# Altium PCB 控制盒基板.PcbDoc (part 3 of 8)
Units mil, origin at the board's own origin, x right, y up, seen from the top; angles counter-clockwise.
Board outline 12046.02 x 6189.14 mil, 4 copper layers (Top Layer, SGND, POWER, Bottom Layer); 368 components, 219 nets, 1110 pads, 351 vias.
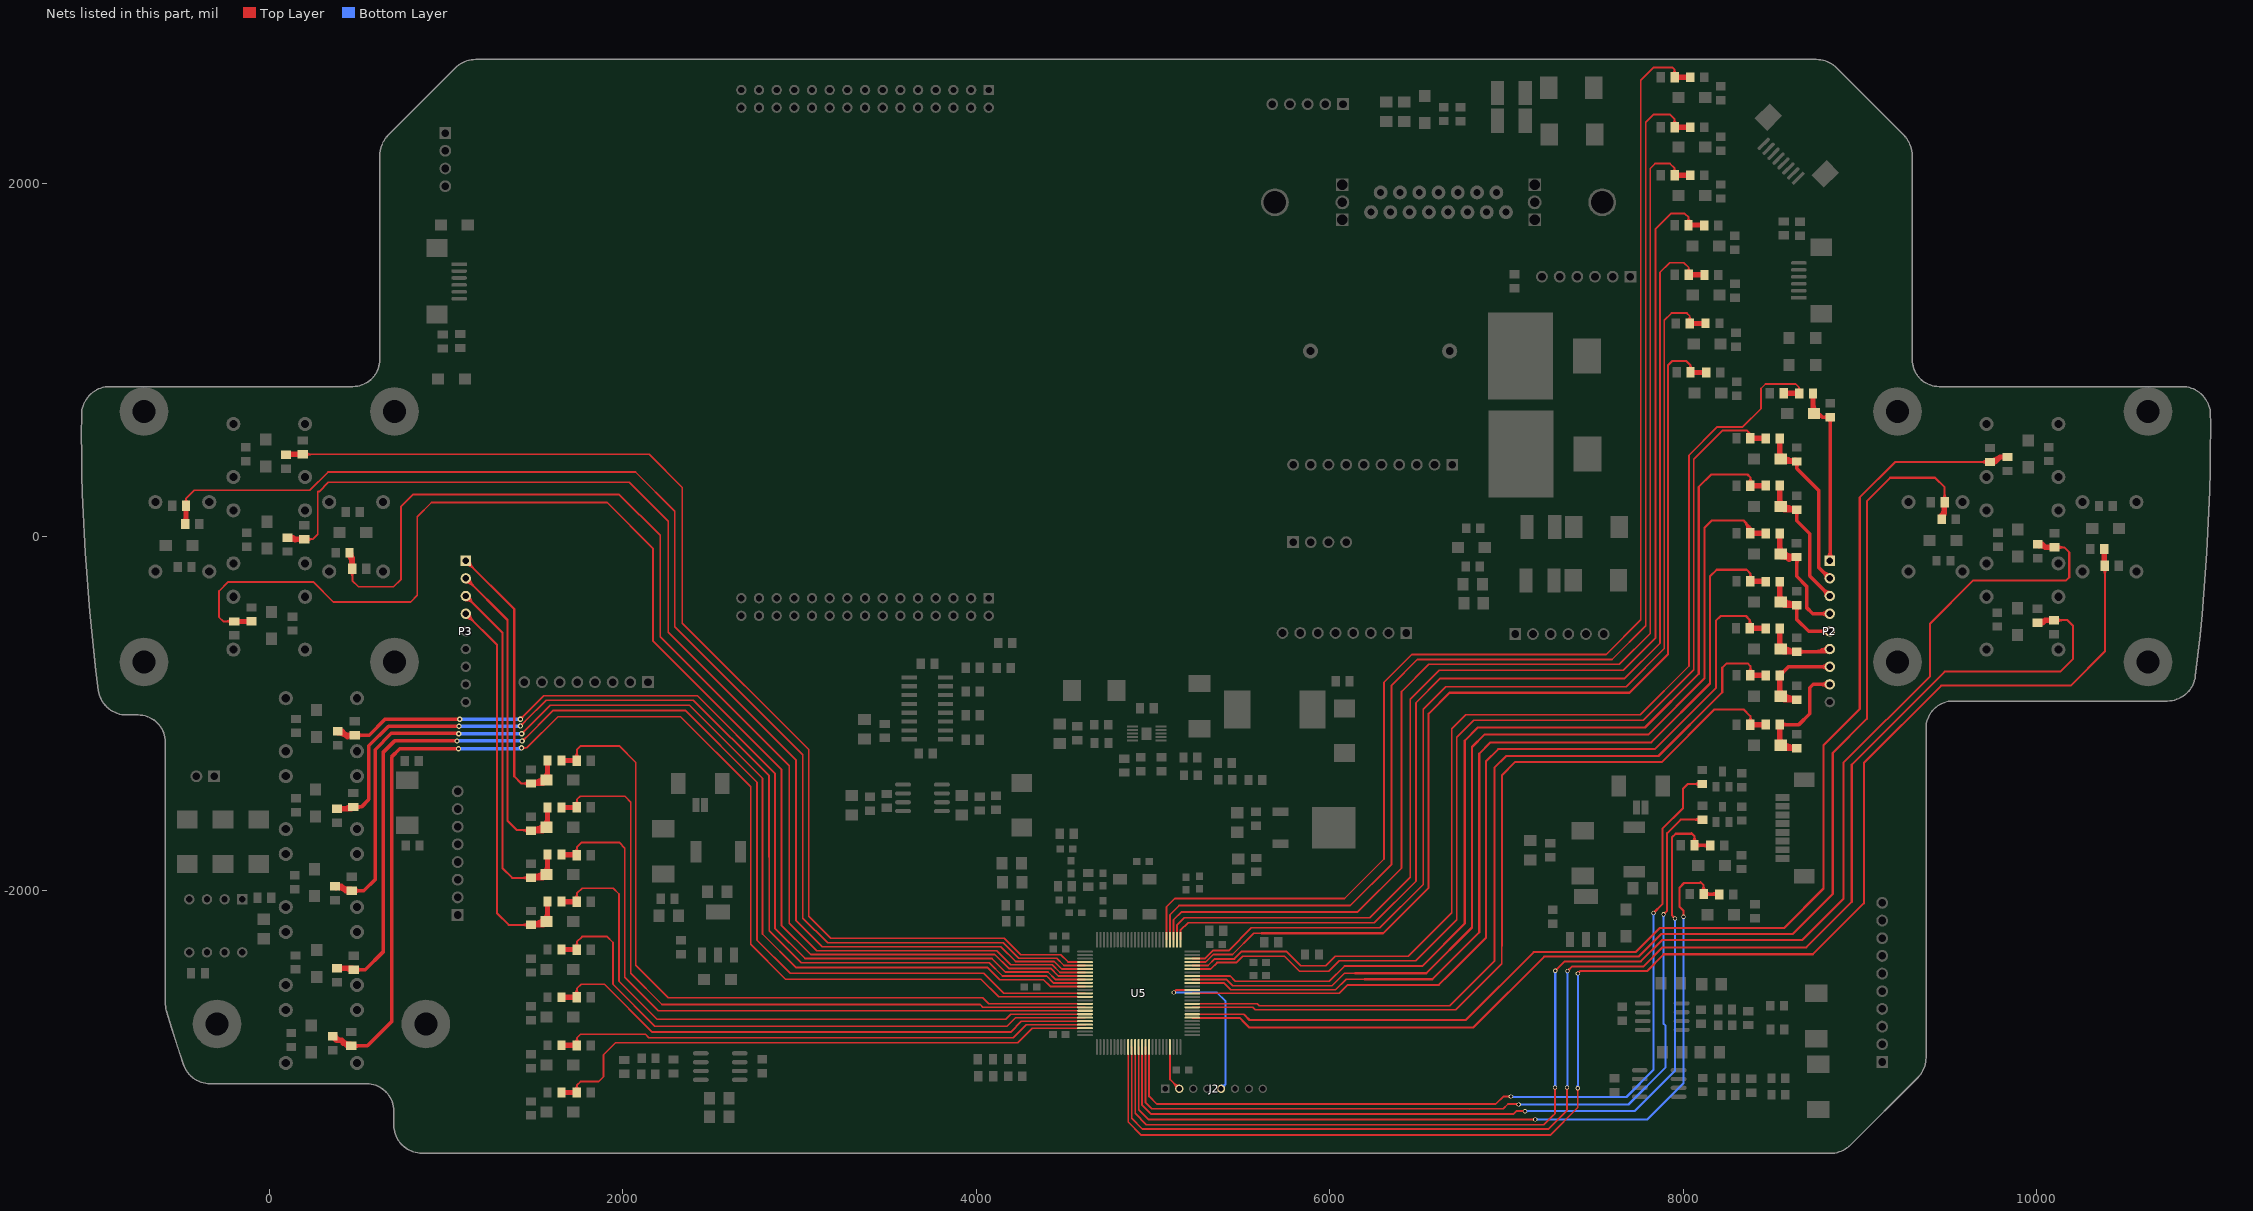
[diagram p5: the nets of this part, all layers, seen from the top]

## Via types
v1: diameter 30, hole 16, Top Layer to Bottom Layer, tented both sides, 209 vias
v2: diameter 24, hole 16, Top Layer to Bottom Layer, tented both sides, 75 vias
v3: diameter 30, hole 18, Top Layer to Bottom Layer, tented both sides, 57 vias
v4: diameter 28, hole 18, Top Layer to Bottom Layer, tented both sides, 10 vias

## Nets (pads, with @x,y where several pads share a name; then routed paths per layer and width w, separated by ;. In a path a pad name is that pad's centre, name@x,y a point inside that pad or via, vN(x,y) a via of type N, cw(c..) or ccw(c..) an arc to the next point about the centre after c; other vN are vias at no path point) (continued)
JTDO: J2.5 U5.89 | length 1059.1
  Top Layer w10: v2(5118,-2578) 5132.69,-2563.31 U5.89@5222.15,-2563.31 ; v2@5118,-2571 ccw(c5118,-2554.1) 5129.95,-2566.05 ccw(c5141.9,-2578) v2@5125,-2578
  Bottom Layer w10: v2(5118,-2578) 5362,-2578 5411,-2627 5411,-3097.37 ; J2.5@5385.37,-3123 5411,-3097.37 ; J2.5@5388.41,-3104.63 ccw(c5392.64,-3079.01) 5411,-3097.37 ; J2.5@5403.74,-3119.96 cw(c5429.36,-3115.73) 5411,-3097.37 ; 5134.9,-2578 ccw(c5134.9,-2594.9) 5122.95,-2582.95 cw(c5134.9,-2594.9) 5134.9,-2578 ; 5134.9,-2578 cw(c5134.9,-2561.1) 5122.95,-2573.05 ccw(c5134.9,-2561.1) 5134.9,-2578
JTMS: J2.2 U5.72 | length 473.7
  Top Layer w10: U5.72@5096.16,-2886.15 5096.16,-3070.02 J2.2@5149.15,-3123 ; 5124.82,-3101.69 ccw(c5155.18,-3093.56) J2.2@5148.87,-3124.35 ; 5127.84,-3098.67 cw(c5119.71,-3129.03) J2.2@5150.5,-3122.72 ; J2.2@5151.15,-3139 J2.2@5154,-3136.15 ; 5117.36,-3091.21 ccw(c5149.15,-3059.42) 5149.15,-3104.38 cw(c5149.15,-3059.42) 5117.36,-3091.21 ; 5117.36,-3091.21 cw(c5085.57,-3123) 5130.53,-3123 ccw(c5085.57,-3123) 5117.36,-3091.21
KEYSWIN_A1: C32.1 R27.1 U5.96 | length 6478
  Top Layer w10: U5.96@5222.15,-2425.52 5311.48,-2425.52 5349,-2388 5461,-2388 5503.15,-2345.85 5754.85,-2345.85 5836,-2427 5977,-2427 6031,-2373 6444,-2373 6691,-2126 6691,-1085 6770,-1006 7758,-1006 8033,-731 8033,462 8193,622 8337,622 8440,725 8440,839 8466,865 8636,865 8656.16,844.84 ; R27.1@8656.16,811 8656.16,844.84 ; 8656.16,844.84 ccw(c8670.86,844.84) 8664.37,831.65 cw(c8670.86,844.84) 8656.16,844.84 ; 8656.16,844.84 cw(c8641.45,844.84) 8647.94,831.65 ccw(c8641.45,844.84) 8656.16,844.84
  Top Layer w30: C32.1@8569.37,813 8654.16,813 R27.1@8656.16,811 ; 8630.66,813 ccw(c8630.66,840.43) 8650.06,821.03 cw(c8630.66,840.43) 8630.66,813
KEYSWIN_A2: C36.1 R35.1 U5.95 | length 6033.3
  Top Layer w10: U5.95@5222.15,-2445.2 5326.8,-2445.2 5363,-2409 5471,-2409 5507,-2373 5744,-2373 5829,-2458 5994,-2458 6053.86,-2398.14 6487.86,-2398.14 6719,-2167 6719,-1134 6815,-1038 7773,-1038 8060,-751 8060,439 8222,601 8362,601 ; 8363.84,599.16 cw(c8340.12,575.45) C36.1@8372.14,565.47 ; C36.1@8364.83,573.16 ccw(c8346.35,585.35) 8362,601 ; 8370.67,592.33 cw(c8356.8,578.46) C36.1@8373.17,567.65 ; 8375.53,587.47 cw(c8357.95,569.89) C36.1@8381.69,562.5 ; C36.1@8380.37,557 8380.37,582.63 8362,601
  Top Layer w30: C36.1@8380.37,557 R35.1@8467.16,557
KEYSWIN_A3: C40.1 R43.1 U5.93 | length 5899.4
  Top Layer w10: U5.93@5222.15,-2484.57 5436.57,-2484.57 5466.69,-2514.69 5998.31,-2514.69 6084,-2429
  Top Layer w12: 6084,-2429 6523,-2429 6764,-2188 6764,-1153 6838,-1079 7784,-1079 8088,-775 8088,283 8158,353 8364,353 8380.37,336.63 C40.1@8380.37,289 ; 8380.37,336.63 ccw(c8420.95,336.63) 8392.66,307.54 cw(c8420.95,336.63) 8380.37,336.63 ; 8380.37,336.63 cw(c8339.79,336.63) 8368.08,307.54 ccw(c8339.79,336.63) 8380.37,336.63
  Top Layer w30: C40.1@8380.37,289 8465.16,289 R43.1@8467.16,291 ; 8441.66,289 cw(c8441.66,261.57) 8461.06,280.97 ccw(c8441.66,261.57) 8441.66,289
KEYSWIN_A4: C44.1 R51.1 U5.92 | length 5861.9
  Top Layer w10: U5.92@5222.15,-2504.26 5415.26,-2504.26 5450.88,-2539.88 6013.12,-2539.88 6084,-2469 6143,-2469
  Top Layer w12: 6143,-2469 6546,-2469 6805,-2210 6805,-1189 6875,-1119 7803,-1119 8121,-801 8121,52 8161,92 8342,92 ; 8351.17,82.83 cw(c8294.24,25.91) C44.1@8374.75,25.91 ; 8358.84,75.16 cw(c8318.78,35.1) C44.1@8374.81,26.74 ; C44.1@8362.94,28.51 ccw(c8289.48,39.48) 8342,92 ; C44.1@8365.11,34.72 ccw(c8344.32,46.72) 8367.51,52.93 ; C44.1@8368.61,48.83 ccw(c8396.23,56.23) C44.1@8382.98,30.89 ; 8371.65,62.35 cw(c8335.21,25.91) C44.1@8386.75,25.91 ; 8375.68,58.32 cw(c8348.08,30.73) C44.1@8386.68,24.96 ; C44.1@8380.37,20 8380.37,53.63 8342,92 ; 8380.37,53.63 ccw(c8393.37,53.63) 8387.85,41.86 cw(c8393.37,53.63) 8380.37,53.63 ; 8380.37,53.63 cw(c8367.37,53.63) 8372.89,41.86 ccw(c8367.37,53.63) 8380.37,53.63
  Top Layer w30: C44.1@8380.37,20 8466.63,20 R51.1@8467.63,19
KEYSWIN_A5: C33.1 R28.1 U5.91 | length 5357.1
  Top Layer w10: U5.91@5222.15,-2523.94 5370,-2523.94 5400.94,-2523.94 5440,-2563 6033,-2563 6093,-2503 6197,-2503
  Top Layer w12: 6197,-2503 6580,-2503 6846,-2237 6846,-1227 6910,-1163 7819,-1163 8152,-830 8152,-223 8189,-186 8359,-186 8380.37,-207.37 C33.1@8380.37,-251 ; 8380.37,-207.37 ccw(c8411.94,-207.37) 8391.68,-231.58 cw(c8411.94,-207.37) 8380.37,-207.37 ; 8380.37,-207.37 cw(c8348.81,-207.37) 8369.06,-231.58 ccw(c8348.81,-207.37) 8380.37,-207.37
  Top Layer w30: C33.1@8380.37,-251 8464.16,-251 R28.1@8467.16,-254
KEYSWIN_A6: C37.1 R36.1 U5.88 | length 5125.8
  Top Layer w10: U5.88@5222.15,-2583 6054,-2583 6102,-2535 6618,-2535 6652.03,-2500.97
  Top Layer w12: 6652.03,-2500.97 6884,-2269 6884,-1557 ; 6885,-1558 6884,-1557 ; C37.1@8377.37,-518 8377.37,-470.37 8355,-448 8212,-448 8185,-475 8185,-856 7840,-1201 6953,-1201 6884,-1270 6884,-1557 ; 8377.37,-470.37 ccw(c8417.95,-470.37) 8389.66,-499.46 cw(c8417.95,-470.37) 8377.37,-470.37 ; 8377.37,-470.37 cw(c8336.79,-470.37) 8365.08,-499.46 ccw(c8336.79,-470.37) 8377.37,-470.37
  Top Layer w30: C37.1@8377.37,-518 R36.1@8467.16,-518
KEYSWIN_A7: C41.1 R44.1 U5.85 | length 4967.2
  Top Layer w10: U5.85@5222.15,-2642.05 5590.05,-2642.05 5601,-2653 6680,-2653 6932,-2401 6932,-2187
  Top Layer w12: 6932,-2187 6932,-1306 6998,-1240 7860,-1240 8221,-879 8221,-741 8246,-716 8365,-716 8380.37,-731.37 C41.1@8380.37,-784 ; 8380.37,-735.55 ccw(c8422.91,-735.55) 8392.83,-765.63 cw(c8422.91,-735.55) 8380.37,-735.55 ; 8380.37,-735.55 cw(c8337.83,-735.55) 8367.91,-765.63 ccw(c8337.83,-735.55) 8380.37,-735.55
  Top Layer w30: C41.1@8380.37,-784 8466.16,-784 R44.1@8467.16,-785
KEYSWIN_A8: C45.1 R52.1 U5.84 | length 4822.4
  Top Layer w10: U5.84@5222.15,-2661.74 5563.74,-2661.74 5578,-2676 6714,-2676 6974,-2416 6974,-2314
  Top Layer w12: 6974,-2314 6974,-1572 6975,-1571 6975,-1348 7048,-1275 7878,-1275 8176,-977 8343,-977 8380.37,-1014.37 C45.1@8380.37,-1064 ; 8380.37,-1015.55 ccw(c8422.91,-1015.55) 8392.83,-1045.63 cw(c8422.91,-1015.55) 8380.37,-1015.55 ; 8380.37,-1015.55 cw(c8337.83,-1015.55) 8367.91,-1045.63 ccw(c8337.83,-1015.55) 8380.37,-1015.55
  Top Layer w30: C45.1@8380.37,-1064 8465.16,-1064 R52.1@8467.16,-1062 ; 8441.66,-1064 cw(c8441.66,-1091.43) 8461.06,-1072.03 ccw(c8441.66,-1091.43) 8441.66,-1064
KEYSWIN_B1: C34.1 R29.1 U5.41 | length 4449.9
  Top Layer w10: C34.1@1740.63,-1266 1740.63,-1205.37 1763,-1183 1980,-1183 2074,-1277 2074,-2424 2258,-2608 4038,-2608 4072.05,-2642.05 4318.05,-2642.05 U5.41@4615.85,-2642.05 ; 1740.63,-1215.14 ccw(c1785.59,-1215.14) 1753.8,-1246.93 cw(c1785.59,-1215.14) 1740.63,-1215.14 ; 1740.63,-1215.14 cw(c1695.67,-1215.14) 1727.46,-1246.93 ccw(c1695.67,-1215.14) 1740.63,-1215.14
  Top Layer w30: R29.1@1653.37,-1266 C34.1@1740.63,-1266
KEYSWIN_B2: C38.1 R37.1 U5.42 | length 4187.8
  Top Layer w10: C38.1@1740.63,-1531 1740.63,-1486.37 ; U5.42@4615.85,-2661.74 4294.74,-2661.74 4037.74,-2661.74 4022,-2646 2222,-2646 2046,-2470 2046,-1501 2013,-1468 1759,-1468 1740.63,-1486.37 ; 1740.63,-1486.37 ccw(c1771.57,-1486.37) 1752.25,-1510.55 cw(c1771.57,-1486.37) 1740.63,-1486.37 ; 1740.63,-1486.37 cw(c1709.68,-1486.37) 1729,-1510.55 ccw(c1709.68,-1486.37) 1740.63,-1486.37
  Top Layer w30: R37.1@1653.37,-1531 C38.1@1740.63,-1531
KEYSWIN_B3: C42.1 R45.1 U5.43 | length 3996.9
  Top Layer w10: C42.1@1740.63,-1801 1740.63,-1757.37 ; U5.43@4615.85,-2681.42 2201.42,-2681.42 2011,-2491 2011,-1881 2012,-1880 2012,-1761 1980,-1729 1769,-1729 1740.63,-1757.37 ; 1740.63,-1757.37 ccw(c1769.52,-1757.37) 1751.95,-1780.31 cw(c1769.52,-1757.37) 1740.63,-1757.37 ; 1740.63,-1757.37 cw(c1711.73,-1757.37) 1729.3,-1780.31 ccw(c1711.73,-1757.37) 1740.63,-1757.37
  Top Layer w30: R45.1@1653.37,-1798 1737.63,-1798 C42.1@1740.63,-1801 ; 1712.8,-1798 ccw(c1712.8,-1767.27) 1734.53,-1789 cw(c1712.8,-1767.27) 1712.8,-1798
KEYSWIN_B4: C46.1 R53.1 U5.44 | length 3749.8
  Top Layer w10: C46.1@1740.63,-2064 1740.63,-2017.37 ; U5.44@4615.85,-2701.11 4195.89,-2701.11 4168,-2729 2194,-2729 1979,-2514 1979,-2021 1946,-1988 1770,-1988 1740.63,-2017.37 ; 1740.63,-2017.37 ccw(c1775.84,-2017.37) 1752.81,-2044.01 cw(c1775.84,-2017.37) 1740.63,-2017.37 ; 1740.63,-2017.37 cw(c1705.42,-2017.37) 1728.45,-2044.01 ccw(c1705.42,-2017.37) 1740.63,-2017.37
  Top Layer w30: R53.1@1653.37,-2063 1654.37,-2064 C46.1@1740.63,-2064
KEYSWIN_B5: C35.1 R30.1 U5.45 | length 3499.5
  Top Layer w10: C35.1@1740.63,-2336 1740.63,-2291.37 ; U5.45@4615.85,-2720.79 4222.21,-2720.79 4174,-2769 2182,-2769 1945,-2532 1945,-2295 1912,-2262 1770,-2262 1740.63,-2291.37 ; 1740.63,-2291.37 ccw(c1771.57,-2291.37) 1752.25,-2315.55 cw(c1771.57,-2291.37) 1740.63,-2291.37 ; 1740.63,-2291.37 cw(c1709.68,-2291.37) 1729,-2315.55 ccw(c1709.68,-2291.37) 1740.63,-2291.37
  Top Layer w30: R30.1@1653.37,-2335 1739.63,-2335 C35.1@1740.63,-2336
KEYSWIN_B6: C39.1 R38.1 U5.46 | length 3289.9
  Top Layer w10: C39.1@1740.63,-2604 1740.63,-2555.37 ; U5.46@4615.85,-2740.48 4614.92,-2741.41 4255.59,-2741.41 4195,-2802 2168,-2802 1897,-2531 1765,-2531 1740.63,-2555.37 ; 1740.63,-2555.37 ccw(c1780.32,-2555.37) 1753.3,-2584.45 cw(c1780.32,-2555.37) 1740.63,-2555.37 ; 1740.63,-2555.37 cw(c1700.93,-2555.37) 1727.95,-2584.45 ccw(c1700.93,-2555.37) 1740.63,-2555.37
  Top Layer w30: R38.1@1653.37,-2605 1739.63,-2605 C39.1@1740.63,-2604
KEYSWIN_B7: C43.1 R46.1 U5.47 | length 3153.4
  Top Layer w10: C43.1@1740.63,-2878 1740.63,-2835.37 ; U5.47@4615.85,-2760.16 4614.91,-2761.1 4282.9,-2761.1 4210,-2834 2148,-2834 2129,-2815 1761,-2815 1740.63,-2835.37 ; 1740.63,-2835.37 ccw(c1767.52,-2835.37) 1751.63,-2857.07 cw(c1767.52,-2835.37) 1740.63,-2835.37 ; 1740.63,-2835.37 cw(c1713.73,-2835.37) 1729.63,-2857.07 ccw(c1713.73,-2835.37) 1740.63,-2835.37
  Top Layer w30: R46.1@1653.37,-2877 1739.63,-2877 C43.1@1740.63,-2878
KEYSWIN_B8: C47.1 R54.1 U5.48 | length 3305.7
  Top Layer w10: C47.1@1740.63,-3144 1740.63,-3102.37 ; U5.48@4615.85,-2779.85 4317.15,-2779.85 4234,-2863 1959,-2863 1891,-2931 1891,-3054 1863,-3082 1761,-3082 1740.63,-3102.37 ; 1740.63,-3102.37 ccw(c1765.58,-3102.37) 1751.29,-3122.83 cw(c1765.58,-3102.37) 1740.63,-3102.37 ; 1740.63,-3102.37 cw(c1715.68,-3102.37) 1729.97,-3122.83 ccw(c1715.68,-3102.37) 1740.63,-3102.37
  Top Layer w30: R54.1@1653.37,-3144 C47.1@1740.63,-3144
KEYSWIN_ED: C51.1 R63.1 U5.61 | length 8589.4
  Top Layer w10: U5.61@4878.69,-2887.08 U5.61@4879.63,-2886.15 4879.63,-3289.63 4941,-3351 7237,-3351 7343,-3245 v2(7343,-3116) ; 7343,-3132.9 ccw(c7326.1,-3132.9) 7338.05,-3120.95 cw(c7326.1,-3132.9) 7343,-3132.9 ; 7343,-3132.9 cw(c7359.9,-3132.9) 7347.95,-3120.95 ccw(c7359.9,-3132.9) 7343,-3132.9
  Top Layer w12: v2(7345,-2457) 7372,-2430 7776,-2430 7883,-2323 8022,-2323 8696,-2323 8954,-2065 8954,-1289 9480,-763 10134,-763 10205,-692 10205,-502 10174.63,-471.63 C51.1@10098,-471.63 ; v2@7345,-2451 ccw(c7345,-2436.51) 7355.24,-2446.76 ccw(c7365.49,-2457) v2@7351,-2457 ; 10146.45,-471.63 ccw(c10146.45,-514.17) 10116.37,-484.09 cw(c10146.45,-514.17) 10146.45,-471.63 ; 10146.45,-471.63 cw(c10146.45,-429.09) 10116.37,-459.17 ccw(c10146.45,-429.09) 10146.45,-471.63
  Top Layer w30: R63.1@10005,-486.37 10006.63,-488 10033,-488 ; C51.1@10098,-471.63 10049.37,-471.63 ; 10033,-488 cw(c10033,-463.26) 10015.15,-480.4 ccw(c10033,-463.26) 10033,-488 ; 10033,-488 10049.37,-471.63 ; 10049.37,-471.63 cw(c10025.91,-448.17) 10012.44,-478.49 ccw(c10025.91,-448.17) 10049.37,-471.63
  Bottom Layer w12: v2@7345,-3116 v2(7345,-2457) ; 7345,-2471.49 ccw(c7330.51,-2471.49) 7340.76,-2461.24 cw(c7330.51,-2471.49) 7345,-2471.49 ; 7345,-2471.49 cw(c7359.49,-2471.49) 7349.24,-2461.24 ccw(c7359.49,-2471.49) 7345,-2471.49 ; v2@7338.76,-3111.76 ccw(c7323.69,-3096.69) 7345,-3096.69 cw(c7323.69,-3096.69) v2@7338.76,-3111.76
KEYSWIN_EL: C54.1 R69.1 U5.60 | length 8955.2
  Top Layer w10: U5.60@4859.94,-2886.15 4859.94,-3310.94 4934,-3385 7247,-3385 7403,-3229 v2(7403,-3120) ; 7403,-3136.9 ccw(c7386.1,-3136.9) 7398.05,-3124.95 cw(c7386.1,-3136.9) 7403,-3136.9 ; 7403,-3136.9 cw(c7419.9,-3136.9) 7407.95,-3124.95 ccw(c7419.9,-3136.9) 7403,-3136.9
  Top Layer w12: v2(7404,-2470) 7417,-2457 7795,-2457 7890,-2362 8734,-2362 9022,-2074 9022,-1280 9460,-842 10192,-842 10385.63,-648.37 C54.1@10385.63,-163 ; v2@7404,-2464 ccw(c7404,-2449.51) 7414.24,-2459.76 ccw(c7424.49,-2470) v2@7410,-2470 ; 10385.63,-211.45 ccw(c10343.09,-211.45) 10373.17,-181.37 cw(c10343.09,-211.45) 10385.63,-211.45 ; 10385.63,-211.45 cw(c10428.17,-211.45) 10398.09,-181.37 ccw(c10428.17,-211.45) 10385.63,-211.45
  Top Layer w30: R69.1@10382.37,-69 10382.37,-159.74 C54.1@10385.63,-163 ; 10382.37,-128.41 ccw(c10414.31,-128.41) 10391.73,-151 cw(c10414.31,-128.41) 10382.37,-128.41
  Bottom Layer w12: v2(7403,-3120) 7404,-3119 v2(7404,-2470) ; 7404,-2484.49 ccw(c7389.51,-2484.49) 7399.76,-2474.24 cw(c7389.51,-2484.49) 7404,-2484.49 ; 7404,-2484.49 cw(c7418.49,-2484.49) 7408.24,-2474.24 ccw(c7418.49,-2484.49) 7404,-2484.49 ; v2@7398.76,-3115.76 ccw(c7386.1,-3103.1) 7404,-3103.1 cw(c7386.1,-3103.1) v2@7398.76,-3115.76 ; 7404,-3107.93 ccw(c7415.07,-3107.93) 7407.24,-3115.76 cw(c7415.07,-3107.93) 7404,-3107.93
KEYSWIN_EM: C60.1 R81.1 U5.62 | length 8772.5
  Top Layer w10: U5.62@4899.31,-2886.15 4899.31,-3262.31 4963,-3326 7211,-3326 7265,-3272 7265,-3274 7275,-3264 v2(7275,-3115) ; 7275,-3131.9 ccw(c7258.1,-3131.9) 7270.05,-3119.95 cw(c7258.1,-3131.9) 7275,-3131.9 ; 7275,-3131.9 cw(c7291.9,-3131.9) 7279.95,-3119.95 ccw(c7291.9,-3131.9) 7275,-3131.9
  Top Layer w12: v2(7276,-2455) 7329,-2402 7760,-2402 7881,-2281 8674,-2281 8906,-2049 8906,-1279 9397,-788 9397,-490 9639,-248 10165,-248 10184,-229 10184,-88 10155.37,-59.37 C60.1@10101,-59.37 ; 7286.24,-2444.76 ccw(c7296.49,-2455) 7282,-2455 cw(c7296.49,-2455) 7286.24,-2444.76 ; 7286.24,-2444.76 cw(c7276,-2434.51) 7276,-2449 ccw(c7276,-2434.51) 7286.24,-2444.76 ; 10149.45,-59.37 ccw(c10149.45,-101.91) 10119.37,-71.83 cw(c10149.45,-101.91) 10149.45,-59.37 ; 10149.45,-59.37 cw(c10149.45,-16.83) 10119.37,-46.91 ccw(c10149.45,-16.83) 10149.45,-59.37
  Top Layer w30: R81.1@10006,-42.63 10032.63,-42.63 10049.37,-59.37 ; R81.1@10012.7,-50.8 cw(c10024.13,-84.6) 10049.37,-59.37 ; C60.1@10101,-59.37 10049.37,-59.37
  Bottom Layer w12: v2(7275,-3115) 7276,-3114 v2(7276,-2455) ; 7276,-2469.49 ccw(c7261.51,-2469.49) 7271.76,-2459.24 cw(c7261.51,-2469.49) 7276,-2469.49 ; 7276,-2469.49 cw(c7290.49,-2469.49) 7280.24,-2459.24 ccw(c7290.49,-2469.49) 7276,-2469.49 ; v2@7270.76,-3110.76 ccw(c7258.1,-3098.1) 7276,-3098.1 cw(c7258.1,-3098.1) v2@7270.76,-3110.76 ; 7276,-3102.93 ccw(c7287.07,-3102.93) 7279.24,-3110.76 cw(c7287.07,-3102.93) 7276,-3102.93
KEYSWIN_ER: C57.1 R75.1 U5.81 | length 7411.6
  Top Layer w10: U5.81@5222.15,-2720.79 5223.08,-2721.73 5490.73,-2721.73 5507,-2738
  Top Layer w12: 5507,-2738 5545,-2776 6813,-2776 7214,-2375 7747,-2375 7875,-2247 7949,-2247 8620,-2247 8846,-2021 8846,-1223 9039,-1030 9039,202 9171,334 9425,334 9479.37,279.63 C57.1@9479.37,195 ; 9479.37,243.45 ccw(c9521.91,243.45) 9491.83,213.37 cw(c9521.91,243.45) 9479.37,243.45 ; 9479.37,243.45 cw(c9436.83,243.45) 9466.91,213.37 ccw(c9436.83,243.45) 9479.37,243.45
  Top Layer w30: R75.1@9463.63,99 9463.63,123.63 9477,137 ; R75.1@9471.37,106.73 cw(c9498.08,119.8) 9472.33,134.67 ; C57.1@9479.37,195 9477,192.63 9477,137 ; 9477,137 ccw(c9496.23,117.77) 9471.48,106.51 cw(c9496.23,117.77) 9477,137 ; 9477,137 cw(c9448.25,137) 9460.08,110.79 ccw(c9448.25,137) 9477,137 ; R75.1@9457.53,109.03 ccw(c9410.53,156.03) 9477,156.03 cw(c9410.53,156.03) R75.1@9457.53,109.03 ; 9477,162.56 cw(c9505.91,162.56) 9485.47,183 ccw(c9505.91,162.56) 9477,162.56
KEYSWIN_EU: C48.1 R57.1 U5.82 | length 7404.3
  Top Layer w10: U5.82@5222.15,-2701.11 5514.11,-2701.11 5523,-2710
  Top Layer w12: 5523,-2710 5546.5,-2733.5 6770.5,-2733.5 7154,-2350 7730,-2350 7867,-2213 8370,-2213 8571,-2213 8794,-1990 8794,-1179 8999,-974 8999,223 9199.63,423.63 C48.1@9736,423.63 ; 9687.55,423.63 ccw(c9687.55,466.17) 9717.63,436.09 cw(c9687.55,466.17) 9687.55,423.63 ; 9687.55,423.63 cw(c9687.55,381.09) 9717.63,411.17 ccw(c9687.55,381.09) 9687.55,423.63
  Top Layer w30: C48.1@9736,423.63 9764.63,423.63 9792.37,451.37 ; C48.1@9749.13,418.92 cw(c9790.37,392.01) 9780.24,440.2 ; R57.1@9835,451.37 9792.37,451.37 ; 9792.37,451.37 cw(c9745.95,497.79) 9742.38,432.24 ccw(c9745.95,497.79) 9792.37,451.37
KEYSWIN_FD: C52.1 R64.1 U5.33 | length 7877.7
  Top Layer w10: C52.1@-198,-478.63 -260.37,-478.63 -284,-455 -284,-307 -232,-255 248,-255 362,-369 800,-369 838,-331 838,114 918,194 1913,194 2171,-64 2171,-589 2898,-1316 2898,-2197 3064,-2363 4105,-2363 4184,-2442 4422,-2442 4464.57,-2484.57 U5.33@4615.85,-2484.57 ; -248.86,-478.63 ccw(c-248.86,-433.67) -217.07,-465.46 cw(c-248.86,-433.67) -248.86,-478.63 ; -248.86,-478.63 cw(c-248.86,-523.59) -217.07,-491.8 ccw(c-248.86,-523.59) -248.86,-478.63
  Top Layer w30: C52.1@-198,-478.63 -101.26,-478.63 R64.1@-101,-478.37
KEYSWIN_FL: C55.1 R70.1 U5.32 | length 7189.2
  Top Layer w10: C55.1@470.63,-180 470.63,-248.63 505,-283 703,-283 746,-240 746,172 813,239 1981,239 2212,8 2212,-566 2942,-1296 2942,-2186 3098,-2342 4117,-2342 4196,-2421 4430,-2421 4473.89,-2464.89 U5.32@4615.85,-2464.89 ; 470.63,-230.86 ccw(c425.67,-230.86) 457.46,-199.07 cw(c425.67,-230.86) 470.63,-230.86 ; 470.63,-230.86 cw(c515.59,-230.86) 483.8,-199.07 ccw(c515.59,-230.86) 470.63,-230.86
  Top Layer w30: R70.1@454.37,-90 454.37,-107.37 471,-124 ; R70.1@462.54,-96.68 ccw(c501.91,-109.89) 465.95,-130.65 ; R70.1@462.79,-95.81 ccw(c492.58,-102.42) 471,-124 ; C55.1@463.16,-169.78 ccw(c429.38,-150.28) 467.06,-140.19 ; C55.1@470.63,-180 471,-179.63 471,-124 ; R70.1@448.27,-100.03 cw(c393.41,-154.9) 471,-154.9 ccw(c393.41,-154.9) R70.1@448.27,-100.03 ; R70.1@451.8,-102.17 cw(c443.63,-128.29) 471,-128.29 ccw(c443.63,-128.29) R70.1@451.8,-102.17
KEYSWIN_FM: C61.1 R82.1 U5.31 | length 7213
  Top Layer w10: C61.1@198,-13.37 246.63,-13.37 ; 2980,-1738 2980,-1720 ; U5.31@4615.85,-2445.2 4484.2,-2445.2 4442,-2403 4223,-2403 4139,-2319 3129,-2319 2980,-2170 2980,-1720 ; 246.63,-13.37 ccw(c246.63,-53.06) 217.55,-26.05 cw(c246.63,-53.06) 246.63,-13.37 ; 246.63,-13.37 cw(c246.63,26.32) 217.55,-0.69 ccw(c246.63,26.32) 246.63,-13.37 ; 246.63,-13.37 275,15 275,256 282,256 335,309 2038,309 2258,89 2258,-539 2980,-1261 2980,-1720
  Top Layer w30: R82.1@104,-4.63 133.63,-4.63 142.37,-13.37 ; R82.1@111.96,-12.26 cw(c125.68,-38.27) 146.48,-17.48 ; R82.1@113.19,-11.47 cw(c126.7,-29.04) 142.37,-13.37 ; R82.1@113.63,-11.11 cw(c124.41,-23.39) 132.58,-9.24 ; C61.1@198,-13.37 142.37,-13.37 ; 142.37,-13.37 cw(c142.37,20.83) 114.87,0.5 ccw(c142.37,20.83) 142.37,-13.37 ; R82.1@114.03,1.47 ccw(c149.85,37.29) 149.85,-13.37 cw(c149.85,37.29) R82.1@114.03,1.47
KEYSWIN_FR: C58.1 R76.1 U5.30 | length 7534.7
  Top Layer w10: C58.1@-470.63,176 -470.63,218.37 ; U5.30@4615.85,-2425.52 4496.52,-2425.52 4456,-2385 4240,-2385 4152,-2297 3159,-2297 3019,-2157 3019,-1233 2295,-509 2295,144 2072,367 333,367 230,264 -425,264 -470.63,218.37 ; -470.63,218.37 ccw(c-444.24,218.37) -459.71,196.99 cw(c-444.24,218.37) -470.63,218.37 ; -470.63,218.37 cw(c-497.02,218.37) -481.55,196.99 ccw(c-497.02,218.37) -470.63,218.37
  Top Layer w30: R76.1@-475.37,72 -470.63,76.74 C58.1@-470.63,176 ; R76.1@-481.47,82.03 ccw(c-507.64,108.2) -470.63,108.2 cw(c-507.64,108.2) R76.1@-481.47,82.03
KEYSWIN_FU: C49.1 R58.1 U5.29 | length 6899.3
  Top Layer w10: C49.1@189,466.63 2149.37,466.63 2337,279 2337,-488 3052,-1203 3052,-2146 3177,-2271 4159,-2271 4253,-2365 4479,-2365 4519.83,-2405.83 U5.29@4615.85,-2405.83 ; 239.86,466.63 ccw(c239.86,421.67) 208.07,453.46 cw(c239.86,421.67) 239.86,466.63 ; 239.86,466.63 cw(c239.86,511.59) 208.07,479.8 ccw(c239.86,511.59) 239.86,466.63
  Top Layer w30: R58.1@95,464.37 97.26,466.63 C49.1@189,466.63 ; R58.1@105.03,458.27 cw(c125.21,438.1) 125.21,466.63 ccw(c125.21,438.1) R58.1@105.03,458.27
KEYSWIN_G1: C63.1 R88.1 U5.63 | length 5491.7
  Top Layer w10: U5.63@4919,-2886.15 4919,-3241 4974,-3296 6904,-3296 v2(7163,-3296) ; 7146.1,-3296 ccw(c7146.1,-3279.1) 7158.05,-3291.05 cw(c7146.1,-3279.1) 7146.1,-3296 ; 7146.1,-3296 cw(c7146.1,-3312.9) 7158.05,-3300.95 ccw(c7146.1,-3312.9) 7146.1,-3296
  Top Layer w12: v2(8002,-2150) 8002,-2115 7979,-2092 7979,-1985 8005,-1959 8094,-1959 8099,-1954 8115.37,-1970.37 C63.1@8115.37,-2021 ; 8002,-2135.51 ccw(c8016.49,-2135.51) 8006.24,-2145.76 cw(c8016.49,-2135.51) 8002,-2135.51 ; 8002,-2135.51 cw(c7987.51,-2135.51) 7997.76,-2145.76 ccw(c7987.51,-2135.51) 8002,-2135.51 ; 8115.37,-1972.55 ccw(c8157.91,-1972.55) 8127.83,-2002.63 cw(c8157.91,-1972.55) 8115.37,-1972.55 ; 8115.37,-1972.55 cw(c8072.83,-1972.55) 8102.91,-2002.63 ccw(c8072.83,-1972.55) 8115.37,-1972.55
  Top Layer w20: C63.1@8115.37,-2021 8200.63,-2021 R88.1@8203.63,-2024 ; 8148.26,-2021 ccw(c8148.26,-2053.89) 8125,-2030.63 cw(c8148.26,-2053.89) 8148.26,-2021 ; 8148.26,-2021 cw(c8148.26,-1988.11) 8125,-2011.37 ccw(c8148.26,-1988.11) 8148.26,-2021 ; 8168.48,-2021 ccw(c8168.48,-1984.91) 8194,-2010.43 cw(c8168.48,-1984.91) 8168.48,-2021 ; 8173,-2021 cw(c8173,-2050.69) 8194,-2029.7 ccw(c8173,-2050.69) 8173,-2021